# Altium PCB DM1097_R2M0E2.PcbDoc (part 3 of 7)
Units mm, origin at the board's own origin, x right, y up, seen from the top; angles counter-clockwise.
Board outline 110 x 60 mm, 6 copper layers (Top Copper, GND 1, PWR, Signal Layer 1, GND 2, Bottom Copper), stack 1.597 mm thick; 274 components, 266 nets, 1212 pads, 803 vias.
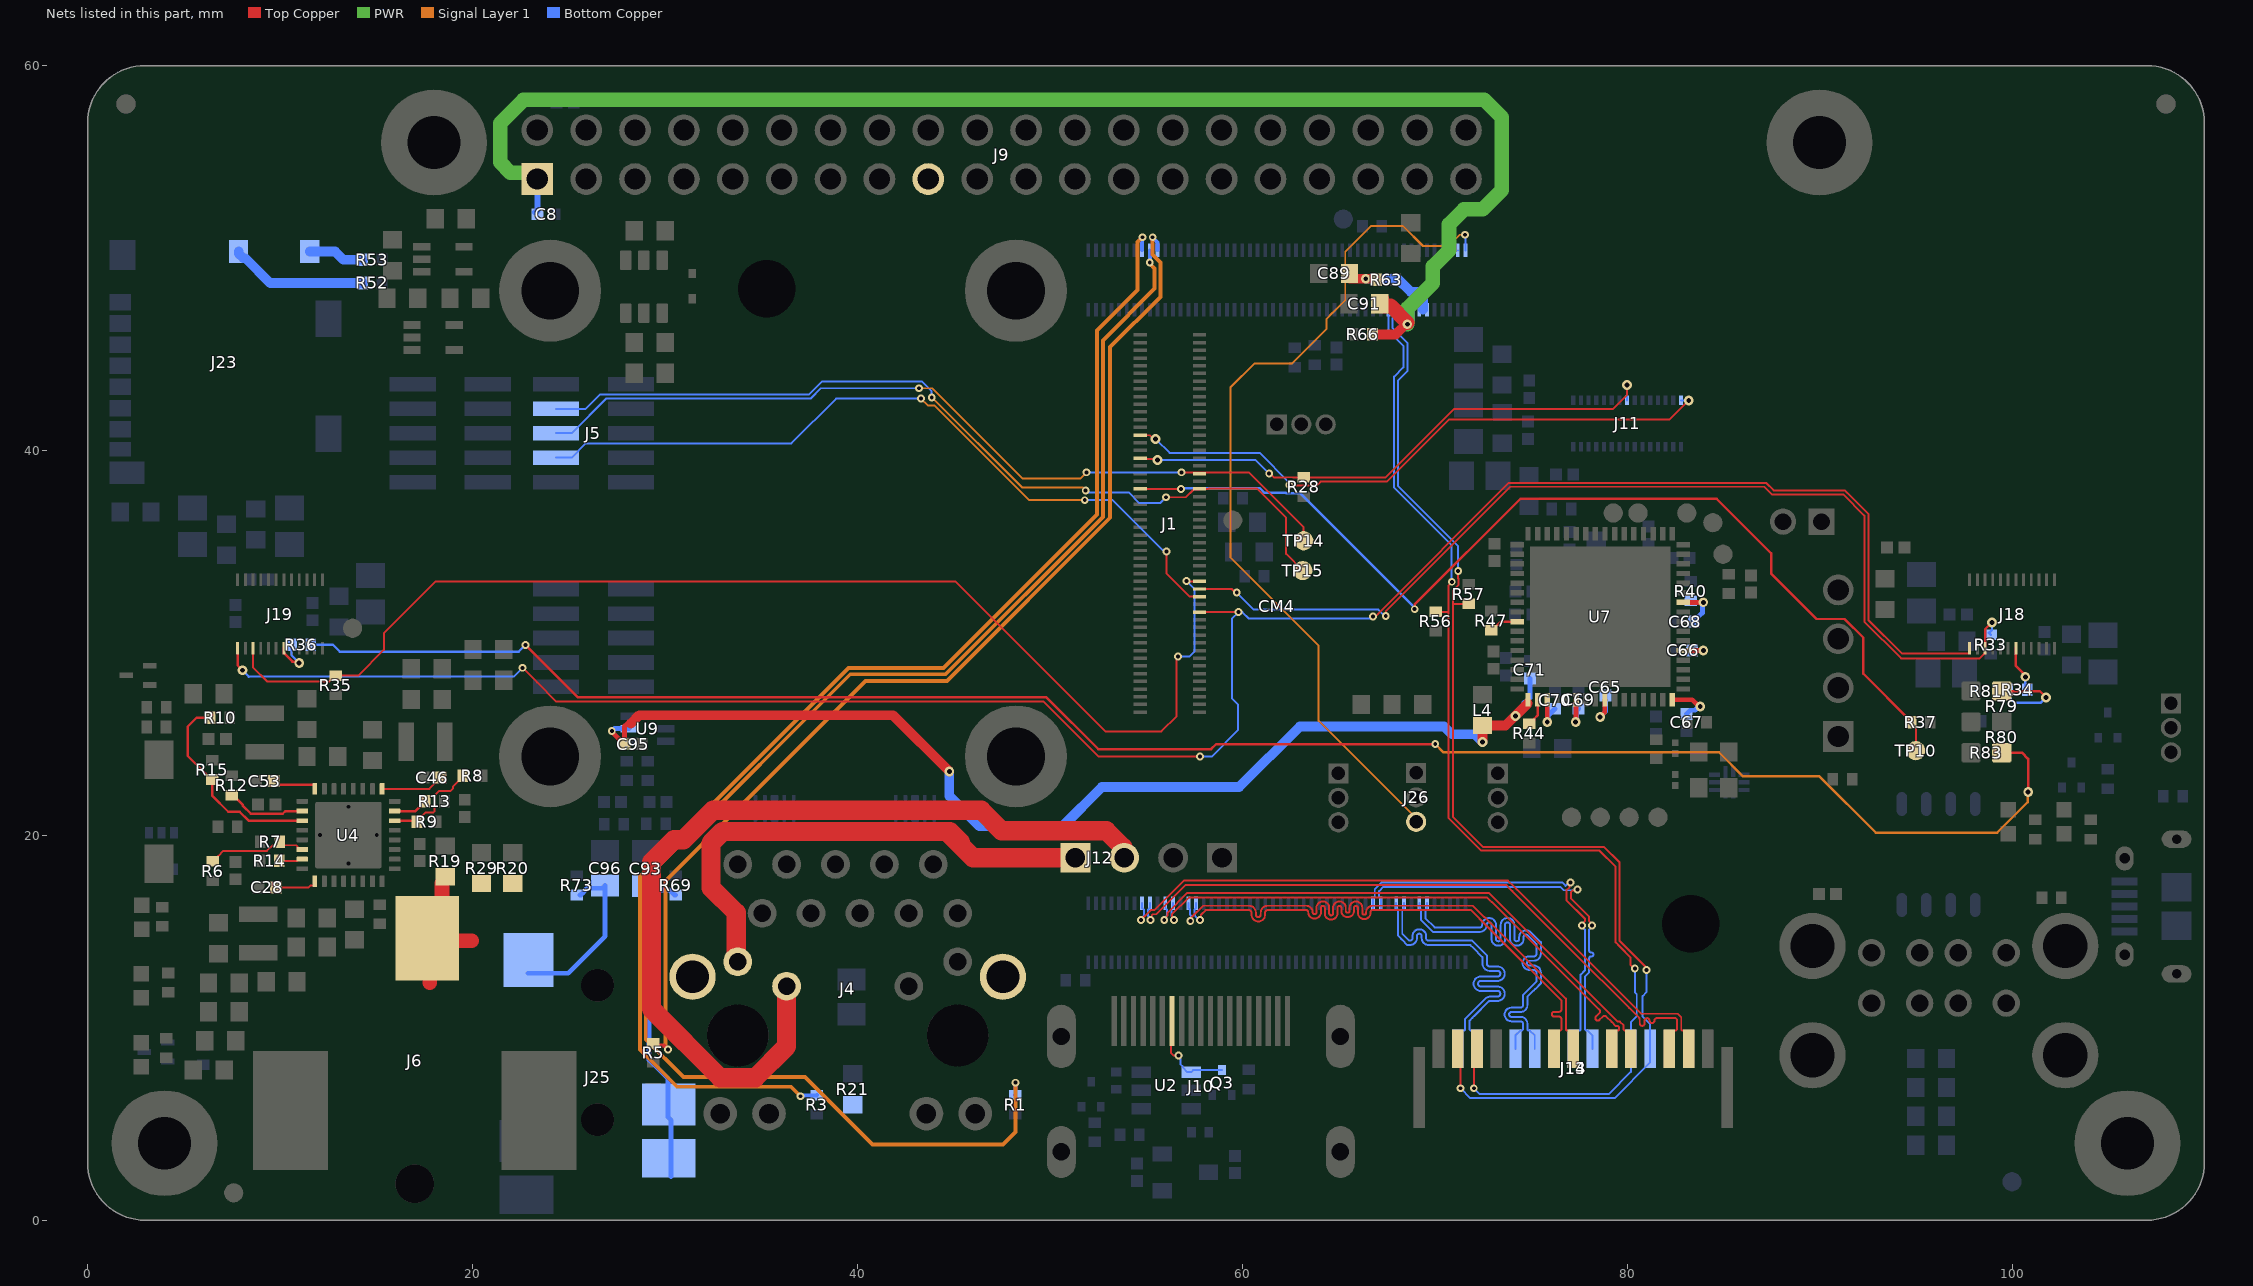
[diagram p7: the nets of this part, all layers, seen from the top]

## Via types
v1: diameter 0.406, hole 0.203, Top Copper to Bottom Copper, tented both sides, 442 vias
v2: diameter 0.508, hole 0.254, Top Copper to Bottom Copper, tented both sides, 361 vias

## Nets (pads, with @x,y where several pads share a name; then routed paths per layer and width w, separated by ;. In a path a pad name is that pad's centre, name@x,y a point inside that pad or via, vN(x,y) a via of type N, cw(c..) or ccw(c..) an arc to the next point about the centre after c; other vN are vias at no path point) (continued)
3V3_VDDA: C65.2 C66.2 C67.2 C68.2 C69.2 C70.2 C71.2 C95.2 L4.2 R40.1 U7.5 U7.10 U7.49 U7.51 U7.54 U7.57 U7.64 U9.5 | length 72.6
  Top Copper w0.152: v2(77.327,25.882) 77.327,25.902 v2@77.337,25.912 ; U7.54@77.337,27.033 U7.54@77.35,27.046
  Top Copper w0.254: v1(27.244,25.415) 27.244,25.392 C95.2@27.896,24.74 27.896,25.658 28.045,25.806 28.232,25.806 ; U7.49@74.837,26.86 74.85,26.873 U7.49@74.85,27.046 ; v2(75.85,25.882) U7.51@75.85,27.046 ; v2@77.337,25.912 U7.54@77.337,27.033 ; v2(78.6,26.141) 78.6,26.159 78.837,26.396 78.837,27.033 U7.57@78.85,27.046 ; U7.64@82.35,27.046 83.386,27.046 83.732,26.699 v2(83.797,26.699) ; U7.5@82.91,29.606 v2(83.961,29.606) ; U7.10@82.91,32.106 v2(83.961,32.106)
  Top Copper w0.508: 28.232,25.806 28.664,26.238 41.859,26.238 v2(44.78,23.317) ; v2(72.492,24.853) L4.2@72.492,25.705 73.682,25.705 U7.49@74.837,26.86
  Bottom Copper w0.254: v1(27.244,25.415) 27.371,25.542 U9.5@28.148,25.542 ; v2(74.2,26.2) 74.2,26.22 74.639,26.659 74.639,26.908 74.712,26.908 74.95,27.146 C71.2@74.95,28.15 ; v2(75.85,25.882) 75.899,25.931 75.899,26.222 C70.2@76.253,26.576 ; v2(77.327,25.882) 77.376,25.931 77.376,26.483 C69.2@77.483,26.59 ; v2(78.6,26.141) 78.6,26.159 78.869,26.428 C65.2@78.869,27.256 ; C67.2@83.089,26.315 83.272,26.498 83.528,26.498 83.729,26.699 v2(83.797,26.699) ; R40.1@83.323,32.106 v2(83.961,32.106) 83.912,32.057 83.912,31.555 C68.2@83.463,31.106 ; C66.2@83.36,29.606 v2(83.961,29.606)
  Bottom Copper w0.508: v2(44.78,23.317) 44.78,22.047 46.355,20.472 50.673,20.472 52.705,22.504 59.842,22.504 62.992,25.654 70.485,25.654 70.891,25.248 72.097,25.248 v2(72.492,24.853)
5V_IN: J6.1 R19.2 R20.2 R29.2 | length 7.7
  Top Copper w0.762: 17.777,12.345 J6.1@17.777,14.523 ; R19.2@18.418,17.511 18.418,15.418 J6.1@17.65,14.65 J6.1@17.777,14.523 ; 19.955,14.523 J6.1@17.777,14.523
2485_PGOOD: J1.37 J5.5 TP14.1 | length 43.8
  Top Copper w0.102: v1(56.845,38.862) 60.35,38.862 63.195,36.017 TP14.1@63.195,35.306
  Signal Layer 1 w0.102: v1(43.205,43.231) 43.886,43.231 48.585,38.532 51.583,38.532 v1(51.913,38.862)
  Bottom Copper w0.102: J5.5@24.339,40.894 25.159,40.894 26.963,42.698 37.568,42.698 38.1,43.231 v1(43.205,43.231) ; v1(51.913,38.862) v1(56.845,38.862)
2485_WAKEUP: J1.41 J5.7 TP15.1 | length 45.4
  Top Copper w0.102: v1(56.032,37.567) 57.074,37.567 57.468,37.961 57.741,37.961 J1.41@57.78,38 58.249,38 58.273,38.024 58.796,38.024 60.757,38.024 62.281,36.5 62.281,34.62 TP15.1@63.144,33.757
  Signal Layer 1 w0.102: v1(43.866,42.748) 43.883,42.748 48.557,38.075 51.714,38.075 v1(51.867,37.922)
  Bottom Copper w0.102: J5.7@24.339,42.164 25.883,42.164 26.62,42.902 37.483,42.902 38.168,43.586 43.353,43.586 43.866,43.073 v1(43.866,42.748) ; v1(51.867,37.922) 51.968,37.821 54.102,37.821 54.661,37.262 55.728,37.262 v1(56.032,37.567)
AudioL: C93.1 J25.3 J25.6 R69.2 | length 18.4
  Bottom Copper w0.254: C93.1@29.157,17.374 29.26,17.271 29.53,17.001 29.605,16.926 29.455,16.926 29.185,17.196 29.185,8.334 30.17,7.349 30.17,5.352 30.328,5.194 30.328,3.216 J25.6@30.328,2.261 ; R69.2@30.556,16.899 30.506,16.899 30.252,17.153 29.228,17.153 C93.1@29.082,17.299 ; C93.1@29.082,17.299 C93.1@29.007,17.374 C93.1@29.082,17.299
AudioR: C96.1 J25.2 R73.2 | length 9
  Bottom Copper w0.254: J25.2@22.889,12.833 24.974,12.833 26.899,14.757 C96.1@26.899,17.388 26.758,17.248 25.953,17.248 25.786,17.081 25.786,17.055 25.638,16.907 R73.2@25.588,16.907
AUTOMDIX_EN: R47.2 U7.41 | length 1.5
  Top Copper w0.127: R47.2@72.94,30.656 72.99,30.656 73.44,31.106 U7.41@74.29,31.106
AUX_IO_IRQ: J1.69 J5.3 | length 39.6
  Top Copper w0.102: v1(56.058,34.747) 56.058,33.61 57.268,32.4 J1.69@57.78,32.4
  Signal Layer 1 w0.102: v1(43.307,42.697) 43.663,42.342 44.002,42.342 48.93,37.414 v1(51.816,37.414)
  Bottom Copper w0.102: J5.3@24.339,39.624 25.159,39.624 25.897,40.362 26.975,40.362 ; 26.976,40.362 29.502,40.362 36.568,40.362 38.903,42.697 v1(43.307,42.697) ; v1(51.816,37.414) 53.269,37.414 55.847,34.836 55.886,34.836 55.925,34.798 v1@56.032,34.798
BST1: C28.1 U4.25 | length 2.2
  Top Copper w0.102: C28.1@9.786,17.297 11.49,17.297 11.596,17.403 11.731,17.403 11.805,17.477 U4.25@11.805,17.612
BST2: C46.1 U4.9 | length 3.2
  Top Copper w0.102: U4.9@15.305,22.412 17.762,22.412 18.25,22.9 C46.1@18.348,22.9
BST3: C53.1 U4.16 | length 2.4
  Top Copper w0.127: C53.1@9.653,22.815 9.85,22.617 11.744,22.617 11.805,22.556 U4.16@11.805,22.412
C_GPIO/MWAKE: CM4.97 | length 0
CAM1_CLK_N: CM4.127 J14.P8 | length 30.1
  Top Copper w0.101: v1(57.302,15.545) 57.361,15.603 57.361,15.73 57.972,16.342 58.386,16.342 59.381,16.342 59.845,16.342 60.354,16.342 cw(c60.354,15.988) 60.708,15.988 60.708,15.876 ccw(c60.835,15.876) 60.835,15.75 ccw(c60.835,15.876) 60.962,15.876 60.962,15.988 cw(c61.316,15.988) 61.316,16.342 61.48,16.342 61.965,16.342 62.83,16.342 63.33,16.342 cw(c63.33,16.013) 63.659,16.013 63.659,16 ccw(c63.76,16) 63.861,16 63.861,16.238 cw(c64.19,16.238) 64.519,16.238 64.519,15.943 ccw(c64.62,15.943) 64.721,15.943 64.721,16.238 cw(c65.05,16.238) 65.379,16.238 65.379,16.076 ccw(c65.48,16.076) 65.581,16.076 65.581,16.238 cw(c65.91,16.238) 66.239,16.238 66.239,15.977 ccw(c66.34,15.977) 66.441,15.977 66.441,16.013 cw(c66.77,16.013) 66.77,16.342 66.934,16.342 71.984,16.342 72.447,15.879 72.498,15.828 72.523,15.803 72.565,15.761 72.828,15.498 76.608,11.718 76.814,11.512 76.814,10.278 76.814,9.909 76.873,9.85 76.95,9.85 77.2,9.6 J14.P8@77.2,8.9
  Bottom Copper w0.101: CM4.127@57.2,16.48 57.2,16.23 57.286,16.144 57.286,15.885 57.331,15.84 57.331,15.574 v1(57.302,15.545) 57.302,15.491 v1@57.255,15.443
CAM1_CLK_P: CM4.129 J14.P7 | length 29.8
  Top Copper w0.101: v1(57.81,15.596) 57.846,15.631 57.846,15.86 58.1,16.114 58.386,16.114 59.381,16.114 59.845,16.114 60.354,16.114 cw(c60.354,15.988) 60.481,15.988 60.481,15.876 ccw(c60.835,15.876) 60.835,15.522 ccw(c60.835,15.876) 61.19,15.876 61.19,15.988 cw(c61.316,15.988) 61.316,16.114 61.48,16.114 61.965,16.114 62.83,16.114 63.33,16.114 cw(c63.33,16.013) 63.431,16.013 63.431,16 ccw(c63.76,16) 64.089,16 64.089,16.238 cw(c64.19,16.238) 64.291,16.238 64.291,15.943 ccw(c64.62,15.943) 64.949,15.943 64.949,16.238 cw(c65.05,16.238) 65.151,16.238 65.151,16.076 ccw(c65.48,16.076) 65.809,16.076 65.809,16.238 cw(c65.91,16.238) 66.011,16.238 66.011,15.977 ccw(c66.34,15.977) 66.669,15.977 66.669,16.013 cw(c66.77,16.013) 66.77,16.114 66.934,16.114 71.89,16.114 72.22,15.785 72.404,15.6 72.667,15.337 76.447,11.557 76.462,11.543 76.586,11.418 76.586,11.261 76.586,10.957 cw(c76.459,10.957) 76.459,10.831 76.213,10.831 ccw(c76.213,10.704) 76.086,10.704 ccw(c76.213,10.704) 76.213,10.577 76.459,10.577 cw(c76.459,10.45) 76.586,10.45 76.586,10.13 76.586,9.981 76.586,9.909 76.527,9.85 76.45,9.85 76.2,9.6 J14.P7@76.2,8.9
  Bottom Copper w0.101: CM4.129@57.6,16.48 57.6,16.23 57.514,16.144 57.514,15.979 57.559,15.934 57.559,15.79 57.754,15.596 v1(57.81,15.596)
CAM1_D0_N: CM4.115 J14.P14 | length 34.7
  Top Copper w0.101: v1(54.732,15.6) 54.738,15.6 55.264,16.126 55.445,16.126 56.968,17.65 73.805,17.65 74.126,17.329 ; 74.127,17.328 74.261,17.194 ; 74.261,17.194 77.374,14.081 80.491,10.964 80.727,10.728 82.622,10.728 82.814,10.535 82.814,10.027 82.814,9.909 82.873,9.85 82.95,9.85 83.2,9.6 J14.P14@83.2,8.9
  Top Copper w0.102: 74.126,17.329 74.127,17.328
  Bottom Copper w0.101: v1(54.732,15.6) 54.732,15.672 54.886,15.826 54.886,16.144 54.8,16.23 CM4.115@54.8,16.48
CAM1_D0_P: CM4.117 J14.P13 | length 34.7
  Top Copper w0.101: v1(55.24,15.6) 55.299,15.659 55.299,15.839 55.359,15.899 55.539,15.899 57.062,17.422 73.711,17.422 73.898,17.235 ; 73.898,17.234 74.032,17.099 ; 74.033,17.099 77.213,13.92 80.101,11.032 80.621,10.512 cw(c80.531,10.422) 80.658,10.422 80.658,10.226 ccw(c80.785,10.226) 80.785,10.1 ccw(c80.785,10.226) 80.911,10.226 80.911,10.373 cw(c81.038,10.373) 81.038,10.5 cw(c81.038,10.373) 81.165,10.373 ccw(c81.292,10.373) 81.292,10.246 ccw(c81.292,10.373) 81.418,10.373 cw(c81.545,10.373) 81.545,10.5 82.351,10.5 82.478,10.5 82.527,10.5 82.586,10.441 82.586,10.121 82.586,9.909 82.527,9.85 82.45,9.85 82.2,9.6 J14.P13@82.2,8.9
  Bottom Copper w0.101: CM4.117@55.2,16.48 55.2,16.23 55.114,16.144 55.114,15.809 55.24,15.683 v1(55.24,15.6)
CAM1_D1_N: CM4.121 J14.P11 | length 29.8
  Top Copper w0.101: v1(55.946,15.6) 55.946,15.671 56.119,15.844 56.119,15.989 57.126,16.996 72.826,16.996 73.124,16.698 78.203,11.619 79.14,10.681 79.507,10.315 79.564,10.315 79.622,10.315 79.814,10.123 79.814,9.909 79.873,9.85 79.95,9.85 80.2,9.6 J14.P11@80.2,8.9
  Bottom Copper w0.101: v1(55.946,15.6) 55.946,15.683 56.086,15.823 56.086,16.144 56,16.23 CM4.121@56,16.48
CAM1_D1_P: CM4.123 J14.P10 | length 29.8
  Top Copper w0.101: v1(56.454,15.6) 56.454,15.683 56.347,15.79 56.347,15.895 57.22,16.769 72.731,16.769 72.9,16.6 72.963,16.537 78.042,11.458 78.343,11.157 78.558,10.942 cw(c78.469,10.852) 78.558,10.762 78.384,10.588 ccw(c78.474,10.499) 78.384,10.409 ccw(c78.474,10.499) 78.563,10.409 78.738,10.583 cw(c78.827,10.494) 78.917,10.583 79.196,10.304 79.413,10.087 79.527,10.087 79.586,10.029 79.586,9.909 79.527,9.85 79.45,9.85 79.2,9.6 J14.P10@79.2,8.9
  Bottom Copper w0.101: CM4.123@56.4,16.48 56.4,16.23 56.314,16.144 56.314,15.823 56.454,15.683 v1(56.454,15.6)
CAM_A_CLK_OUT: J1.28 J11.30 | length 31.9
  Top Copper w0.102: J1.28@54.7,40.8 54.712,40.788 55.202,40.788 55.39,40.6 v2(55.5,40.6) ; v1(62.45,38.2) 62.477,38.173 63.862,38.173 64.069,38.379 66.819,38.379 66.837,38.397 67.531,38.397 70.734,41.6 82.2,41.6 v2(83.2,42.6)
  Bottom Copper w0.102: v2(55.5,40.6) 55.539,40.561 56.231,39.869 60.906,39.869 62.45,38.325 v1(62.45,38.2) ; J11.30@82.8,42.6 v2(83.2,42.6)
CAM_A_PWDN_N: J1.34 J11.23 R28.1 | length 28.8
  Top Copper w0.102: J1.34@54.7,39.6 54.739,39.561 55.539,39.561 v2(55.6,39.5) ; v1(61.4,38.8) 61.445,38.8 61.663,38.583 62.258,38.583 62.282,38.606 62.618,38.606 62.625,38.6 R28.1@63.195,38.6 67.446,38.6 70.993,42.147 79.247,42.147 80,42.9 v2(80,43.4)
  Bottom Copper w0.102: v2(55.6,39.5) 60.7,39.5 v1(61.4,38.8) ; J11.23@80,42.6 v2(80,43.4)
CAM_B_CLK_OUT: J1.73 J18.24 J19.24 | length 112.5
  Top Copper w0.102: v1(22.606,28.705) 23.363,27.948 24.361,26.949 49.682,26.949 52.54,24.092 v1(57.81,24.092) ; J1.73@57.78,31.6 v1(59.815,31.6) ; v1(66.794,31.369) 66.905,31.369 73.852,38.316 87.217,38.316 87.61,37.922 91.312,37.922 91.408,37.826 92.533,36.701 92.533,31.189 94.271,29.451 97.776,29.451 97.776,29.464 97.8,29.488 J18.24@97.8,29.725
  Top Copper w0.127: J19.24@7.8,29.86 7.8,28.84 8.052,28.588 v2(8.052,28.575)
  Bottom Copper w0.102: 8.379,28.248 22.149,28.248 v1(22.606,28.705) ; v1(57.81,24.092) 58.407,24.092 59.792,25.476 59.792,26.797 59.461,27.127 59.461,31.247 v1(59.815,31.6) 60.013,31.6 60.345,31.267 66.678,31.267 v1@66.764,31.354
  Bottom Copper w0.127: v2(8.052,28.575) 8.379,28.248
CAM_B_D_PWM: J1.65 J19.22 R35.1 | length 64.4
  Top Copper w0.102: J19.22@8.6,29.86 8.594,29.854 8.594,28.732 9.325,28 12.566,28 12.626,28.06 12.626,28.076 12.85,28.3 R35.1@12.9,28.3 14.056,28.3 15.394,29.638 15.394,30.5 18.094,33.2 45.1,33.2 52.894,25.406 55.804,25.406 56.594,26.196 56.594,29.365 v1(56.659,29.3) ; v1(57.099,33.223) 57.122,33.2 J1.65@57.78,33.2
  Bottom Copper w0.102: v1(56.659,29.3) 57.265,29.3 57.531,29.566 57.531,32.791 v1@57.125,33.198
CAM_B_PWDN_N: J1.67 J18.22 R33.1 | length 53.5
  Top Copper w0.102: J1.67@57.988,32.817 58.005,32.8 59.447,32.8 59.633,32.614 v1(59.715,32.614) ; v1(67.458,31.394) 67.458,31.635 73.936,38.113 87.133,38.113 87.526,37.719 91.227,37.719 92.33,36.617 92.33,31.105 94.237,29.197 98.322,29.197 98.6,29.475 J18.22@98.6,29.725
  Top Copper w0.127: J18.22@98.6,29.86 98.6,30.706 v2(98.958,31.064)
  Bottom Copper w0.102: v1(59.715,32.614) 60.604,31.725 67.08,31.725 67.41,31.394 v1(67.458,31.394)
  Bottom Copper w0.127: R33.1@98.9,30.416 98.8,30.516 98.958,30.674 v2(98.958,31.064)
CD1_SCL: CM4.80 J13.P5 J14.P3 R56.1 | length 60.8
  Top Copper w0.102: R56.1@70.053,31.615 70.704,31.615 70.714,31.606 ; v1(70.891,33.172) 70.891,33.138 70.714,32.96 70.714,31.606 ; v1(72.034,6.858) 72.034,8.734 J14.P3@72.2,8.9 ; v1(80.4,13.074) 80.366,13.074 80.188,13.252 80.186,13.252 80.186,13.65 79.604,14.233 79.604,14.234 79.4,14.438 79.4,18.364 78.564,19.2 72.419,19.2 70.714,20.906 70.714,31.606
  Bottom Copper w0.102: CM4.80@67.6,47.32 67.612,47.308 67.612,46.474 ; 67.612,46.473 67.612,46.2 67.805,46.007 68.374,45.438 68.374,44.313 67.894,43.833 67.894,38.067 70.866,35.095 70.866,33.198 v1(70.891,33.172) ; v1(72.034,6.858) 72.339,6.553 79.045,6.553 80.2,7.708 J13.P5@80.2,8.9 80.2,10.29 80.5,10.59 80.5,11.741 80.403,11.838 80.403,13.071 v1(80.4,13.074)
CD1_SDA: CM4.82 J13.P4 J14.P2 R57.1 | length 62.9
  Top Copper w0.102: J14.P2@71.2,8.9 71.349,8.751 v1(71.349,6.858) ; v1(71.222,33.731) 71.222,33.345 71.247,33.32 71.247,33.025 70.942,32.72 70.942,32.015 ; R57.1@71.78,32.037 71.758,32.015 70.942,32.015 ; v1@80.98,13.145 79.604,14.522 79.604,18.593 78.793,19.404 72.503,19.404 70.942,20.964 70.942,32.015
  Bottom Copper w0.102: CM4.82@68,47.32 68,47.07 67.852,46.922 67.852,46.907 67.816,46.87 67.816,46.352 68.577,45.59 68.577,44.122 68.097,43.642 68.097,38.151 71.222,35.027 v1(71.222,33.731) ; v1(71.349,6.858) 71.857,6.35 79.35,6.35 81.2,8.2 J13.P4@81.2,8.9 81.2,10.179 80.8,10.579 80.8,11.648 80.997,11.845 80.997,12.997 v1(81,13)
CD_SW1: J23.9 R52.1 | length 7.2
  Bottom Copper w0.5: J23.9@7.85,50.335 7.85,50.235 8.1,49.985 8.2,49.985 9.485,48.7 R52.1@14.3,48.7
CD_SW2: J23.10 R53.2 | length 2.9
  Bottom Copper w0.5: J23.10@11.55,50.335 12.865,50.335 13.3,49.9 R53.2@14.3,49.9
CEC: J10.13 Q3.3 U2.1@57.35,7.7 | length 5.2
  Top Copper w0.102: J10.13@56.35,10.35 56.298,10.298 56.298,8.702 56.444,8.556 v1(56.694,8.556)
  Bottom Copper w0.102: v1@56.856,8.556 v1(56.694,8.556) 56.694,8.474 56.787,8.381 56.787,8.112 56.901,7.998 56.901,7.949 57.15,7.7 U2.1@57.35,7.7 57.45,7.8 Q3.3@58.95,7.8
CM_1V8: C89.1 CM4.88 CM4.90 R63.2 | length 5.6
  Top Copper w0.508: C89.1@65.583,48.92 v2(66.421,48.92) 66.967,48.92 66.988,48.899 R63.2@66.988,48.87 66.988,48.82 R63.2@66.967,48.799
  Bottom Copper w0.508: v2(66.421,48.92) 68.073,48.92 68.759,48.235 69.201,48.235 69.39,48.046 69.39,47.32
CM_3V3: C8.2 C91.1 CM4.84 CM4.86 J9.1 J9.17 R66.2 | length 78.6
  Top Copper w0.3: C91.1@67.315,47.757 C91.1@67.488,47.93
  Top Copper w0.5: R66.2@66.769,46.025 66.794,46.05 66.794,46.025 67.97,46.025 v2@68.58,46.634
  Top Copper w0.762: C91.1@67.145,47.625 67.145,47.575 67.214,47.506 67.708,47.506 v2@68.58,46.634
  PWR w0.762: J9.1@23.317,54.102 23.317,54.153 23.043,54.427 21.976,54.427 21.438,54.966 21.438,56.998 22.657,58.217 72.566,58.217 73.482,57.301 73.482,53.518 72.492,52.527 71.526,52.527 70.747,51.748 70.747,50.402 69.901,49.555 69.901,48.691 68.58,47.371 v2(68.58,46.558)
  Bottom Copper w0.3: C8.2@23.241,52.375 23.317,52.375 23.375,52.433 23.375,54.095 J9.1@23.368,54.102 ; J9.1@23.927,53.67 23.927,53.543 J9.1@24.043,53.427 ; CM4.84@68.4,47.32 68.4,46.738 v2(68.58,46.558) 68.8,46.778 CM4.86@68.8,47.32
COM_AUX_IO2: J1.42 R37.1 TP10.1 | length 53.4
  Top Copper w0.102: J1.42@54.7,38 54.702,37.998 v1(56.82,37.998) ; R37.1@94.758,25.865 94.758,25.815 95,25.573 TP10.1@95,24.4
  Top Copper w0.127: v1(68.961,31.75) 68.961,31.991 74.46,37.49 84.647,37.49 87.478,34.66 87.478,33.604 89.84,31.242 91.305,31.242 92.278,30.269 92.278,28.395 94.725,25.948 94.758,25.915 R37.1@94.758,25.865
  Bottom Copper w0.127: v1(56.82,37.998) 56.858,38.036 60.922,38.036 61.163,37.795 62.262,37.795 62.276,37.781 63.006,37.781 68.848,31.939 68.961,31.826 v1(68.961,31.75)
COMP1: R14.2 U4.23 | length 1.2
  Top Copper w0.102: R14.2@9.969,18.668 10.887,18.668 10.98,18.762 U4.23@11.155,18.762
COMP2: R13.2 U4.7 | length 1.8
  Top Copper w0.127: U4.7@15.955,21.262 17.038,21.262 17.277,21.501 17.327,21.501 17.538,21.712 R13.2@17.538,21.762
COMP3: R12.2 U4.18 | length 4.1
  Top Copper w0.127: R12.2@7.505,22.09 7.555,22.09 8.076,21.569 8.076,21.531 8.486,21.122 10.144,21.122 10.284,21.262 U4.18@11.155,21.262
CT1: J4.11 J12.1 | length 27.4
  Top Copper w1: J4.11@33.785,13.43 33.703,13.512 33.703,15.972 32.4,17.275 32.4,19.6 33,20.2 44.8,20.2 45.366,19.634 ; 44.704,20.142 46.013,18.833 J12.1@51.33,18.833
CT2: J4.12 J12.2 | length 46.4
  Top Copper w1: J4.12@36.325,12.16 36.325,9.026 34.697,7.398 32.873,7.398 29.3,10.971 29.3,18.602 30.467,19.769 30.966,19.769 32.498,21.302 46.44,21.302 47.498,20.244 52.934,20.244 J12.2@53.797,19.38
DSI1_CLK_N: CM4.187 J13.P11 | length 19.5
  Bottom Copper w0.102: CM4.187@69.2,16.48 69.2,16.23 69.286,16.144 69.286,15.608 69.79,15.104 69.908,14.986 71.792,14.986 72.345,14.986 ccw(c72.345,15.34) 72.7,15.34 72.7,15.352 cw(c72.825,15.352) 72.825,15.477 cw(c72.825,15.352) 72.951,15.352 72.951,14.62 ccw(c73.306,14.62) 73.306,14.266 ccw(c73.306,14.62) 73.66,14.62 73.66,15.352 cw(c73.786,15.352) 73.786,15.477 cw(c73.786,15.352) 73.912,15.352 73.912,14.62 ccw(c74.266,14.62) 74.266,14.266 ccw(c74.266,14.62) 74.62,14.62 74.62,14.713 cw(c74.746,14.713) 74.836,14.801 ; J13.P11@74.2,8.9 74.2,9.6 74.449,9.849 74.526,9.849 74.586,9.909 74.586,10.046 74.586,10.211 ccw(c74.46,10.211) 74.46,10.337 73.99,10.337 cw(c73.99,10.692) 73.636,10.692 cw(c73.99,10.692) 73.99,11.046 74.46,11.046 ccw(c74.46,11.172) 74.586,11.172 74.586,11.695 74.836,11.946 74.894,12.003 75.286,12.395 75.286,12.464 75.286,12.712 75.286,12.877 ccw(c75.16,12.877) 75.16,13.003 74.92,13.003 cw(c74.92,13.357) 74.566,13.357 cw(c74.92,13.357) 74.92,13.711 75.16,13.711 ccw(c75.16,13.837) 75.286,13.837 75.286,14.351 75.193,14.443 75.151,14.485 74.906,14.731 ; 74.836,14.801 74.905,14.732
DSI1_CLK_P: CM4.189 J13.P10 | length 19.5
  Bottom Copper w0.102: CM4.189@69.6,16.48 69.6,16.23 69.514,16.144 69.514,15.703 70.002,15.215 71.792,15.215 72.345,15.215 ccw(c72.345,15.34) 72.471,15.34 72.471,15.352 cw(c72.825,15.352) 72.825,15.706 cw(c72.825,15.352) 73.18,15.352 73.18,14.62 ccw(c73.306,14.62) 73.306,14.495 ccw(c73.306,14.62) 73.431,14.62 73.431,15.352 cw(c73.786,15.352) 73.786,15.706 cw(c73.786,15.352) 74.14,15.352 74.14,14.62 ccw(c74.266,14.62) 74.266,14.495 ccw(c74.266,14.62) 74.392,14.62 74.392,14.713 cw(c74.746,14.713) 74.997,14.963 ; 74.997,14.963 75.067,14.893 ; 75.067,14.892 75.151,14.809 75.349,14.611 75.514,14.446 75.514,14.443 75.514,13.837 cw(c75.16,13.837) 75.16,13.483 74.92,13.483 ccw(c74.92,13.357) 74.794,13.357 ccw(c74.92,13.357) 74.92,13.231 75.16,13.231 cw(c75.16,12.877) 75.514,12.877 75.514,12.712 75.514,12.464 75.514,12.301 75.217,12.003 75.159,11.946 74.814,11.601 74.814,11.172 cw(c74.46,11.172) 74.46,10.817 73.99,10.817 ccw(c73.99,10.692) 73.864,10.692 ccw(c73.99,10.692) 73.99,10.566 74.46,10.566 cw(c74.46,10.211) 74.814,10.211 74.814,10.046 74.814,9.909 74.874,9.849 74.951,9.849 75.2,9.6 J13.P10@75.2,8.9
DSI1_D0_N: CM4.175 J13.P8 | length 21
  Top Copper w0.102: v1(77.064,17.551) 77.013,17.5 77.013,17.303 76.844,17.134 76.844,16.635 77.8,15.679 77.8,15.538 77.661,15.399 v1(77.661,15.316)
  Bottom Copper w0.102: CM4.175@66.8,16.23 CM4.175@66.8,16.48 66.8,16.73 66.886,16.816 66.886,17.196 67.241,17.551 76.625,17.551 76.802,17.374 76.804,17.374 76.981,17.551 v1(77.064,17.551) ; J13.P8@77.2,8.9 77.2,9.6 77.449,9.849 77.526,9.849 77.586,9.909 77.586,12.761 77.8,12.976 77.8,15.104 77.661,15.244 v1(77.661,15.316)
DSI1_D0_P: CM4.177 J13.P7 | length 21
  Top Copper w0.102: v1(77.423,17.192) 77.372,17.141 77.174,17.141 77.073,17.04 77.073,16.73 77.622,16.18 77.703,16.099 78.029,15.773 78.029,15.538 78.169,15.399 v1(78.169,15.316)
  Bottom Copper w0.102: CM4.177@67.2,16.23 CM4.177@67.2,16.48 67.2,16.73 67.114,16.816 67.114,17.102 67.335,17.323 76.53,17.323 76.641,17.212 76.707,17.146 77.376,17.146 v1(77.423,17.192) ; v1(78.169,15.316) 78.169,15.244 78.029,15.104 78.029,14.923 78.029,14.012 ccw(c78.131,14.012) 78.131,13.91 78.146,13.91 cw(c78.146,13.809) 78.146,13.707 78.131,13.707 ccw(c78.131,13.605) 78.029,13.605 78.029,13.351 78.029,12.881 77.814,12.667 77.814,9.909 77.874,9.849 77.951,9.849 78.2,9.6 J13.P7@78.2,8.9
DSI1_D1_N: CM4.181 J13.P14 | length 16.5
  Bottom Copper w0.102: CM4.181@68,16.48 68,16.23 68.086,16.144 68.086,14.801 68.164,14.723 68.301,14.587 68.315,14.572 68.587,14.3 68.721,14.3 ccw(c68.721,14.655) 69.075,14.655 69.075,14.764 cw(c69.201,14.764) 69.201,14.889 cw(c69.201,14.764) 69.327,14.764 69.327,14.655 ccw(c69.681,14.655) 69.681,14.3 71.762,14.3 71.857,14.3 72.009,14.148 72.482,13.674 72.482,13.497 72.482,13.332 ccw(c72.857,13.332) 72.857,12.957 73.267,12.957 cw(c73.267,12.812) 73.412,12.812 cw(c73.267,12.812) 73.267,12.666 72.394,12.666 ccw(c72.394,12.291) 72.019,12.291 ccw(c72.394,12.291) 72.394,11.917 73.267,11.917 cw(c73.267,11.771) 73.412,11.771 cw(c73.267,11.771) 73.267,11.625 72.9,11.625 ccw(c72.9,11.251) 72.635,11.515 71.881,10.762 ; J13.P14@71.171,8.929 J13.P14@71.2,8.9 71.2,9.6 71.449,9.849 71.526,9.849 71.586,9.909 71.586,10.466 71.73,10.611 71.88,10.761
DSI1_D1_P: CM4.183 J13.P13 | length 16.8
  Bottom Copper w0.102: CM4.183@68.4,16.48 68.4,16.23 68.314,16.144 68.314,14.896 68.315,14.895 68.682,14.529 68.721,14.529 ccw(c68.721,14.655) 68.846,14.655 68.846,14.764 cw(c69.201,14.764) 69.201,15.118 cw(c69.201,14.764) 69.555,14.764 69.555,14.655 ccw(c69.681,14.655) 69.681,14.529 71.762,14.529 71.951,14.529 72.711,13.769 72.711,13.497 72.711,13.332 ccw(c72.857,13.332) 72.857,13.186 73.267,13.186 cw(c73.267,12.812) 73.641,12.812 cw(c73.267,12.812) 73.267,12.437 72.394,12.437 ccw(c72.394,12.291) 72.248,12.291 ccw(c72.394,12.291) 72.394,12.146 73.267,12.146 cw(c73.267,11.771) 73.641,11.771 cw(c73.267,11.771) 73.267,11.397 72.9,11.397 ccw(c72.9,11.251) 72.796,11.354 72.043,10.6 ; J13.P13@71.951,9.149 J13.P13@72.2,8.9 72.2,9.6 71.951,9.849 71.874,9.849 71.814,9.909 71.814,10.372 71.958,10.516 72.042,10.6
ETH_GND: J4.19 J4.20 R21.2
ETH_LEDG: CM4.15 R3.1 | length 66.8
  Signal Layer 1 w0.203: v1(37.054,6.442) 36.562,6.934 30.632,6.934 28.7,8.867 28.7,17.869 39.531,28.7 44.475,28.7 52.451,36.676 52.451,46.228 54.559,48.336 54.559,50.825 v1(54.813,51.079)
  Bottom Copper w0.203: v1(37.054,6.442) 37.083,6.471 37.871,6.471 R3.1@37.9,6.5 ; CM4.15@54.8,50.4 54.802,50.402 54.802,50.992 v1@54.864,51.054
ETH_LEDY: CM4.17 R1.1 | length 79.9
  Signal Layer 1 w0.203: v1(48.217,7.148) 48.217,4.58 47.574,3.937 40.792,3.937 37.287,7.442 30.96,7.442 29.005,9.398 29.005,17.743 30.312,19.05 39.632,28.37 44.576,28.37 52.756,36.55 52.756,45.72 55.448,48.412 55.448,49.45 55.194,49.704 v1(55.194,49.759)
  Bottom Copper w0.203: R1.1@48.2,6.5 48.217,6.517 v1(48.217,7.148) ; v1@55.194,49.784 55.199,49.788 55.199,50.399 CM4.17@55.2,50.4
ETH_LEDY2: CM4.19 R5.1 | length 57.3
  Top Copper w0.203: R5.1@29.35,9.2 R5.1@29.4,9.2 29.514,9.086 29.946,9.086 v1(30.163,8.87)
  Signal Layer 1 w0.203: v1(30.163,8.87) 30.032,9 30.032,17.621 40.425,28.014 44.651,28.014 53.137,36.5 53.137,45.364 55.753,47.981 55.753,49.774 55.347,50.181 v1(55.347,51.079)
  Bottom Copper w0.203: v1@55.321,51.079 55.6,50.801 CM4.19@55.6,50.4
EXRES: R44.2 U7.50 | length 1.5
  Top Copper w0.127: R44.2@74.913,25.799 74.963,25.799 75.175,26.01 75.175,26.06 75.35,26.235 U7.50@75.35,27.046
FB1: R6.1 R7.2 U4.22 | length 5.3
  Top Copper w0.102: R6.1@6.512,18.646 6.562,18.646 6.786,18.87 6.786,18.92 7.057,19.191 9.323,19.191 9.617,19.485 9.802,19.485 R7.2@9.985,19.668 10.169,19.485 10.847,19.485 10.906,19.425 10.906,19.336 10.98,19.262 U4.22@11.155,19.262
FB2: R8.1 R9.2 U4.6 | length 5.2
  Top Copper w0.102: R9.2@17.122,20.697 17.122,20.747 17.572,21.197 17.973,21.197 18.038,21.262 18.038,22.078 18.261,22.3 18.851,22.3 19,22.449 19,22.55 19.5,23.05 R8.1@19.5,23.1
  Top Copper w0.127: U4.6@15.955,20.762 17.056,20.762 R9.2@17.122,20.697
FB3: R10.1 R15.2 U4.19 | length 10.7
  Top Copper w0.127: R10.1@6.385,26.113 5.668,26.113 5.21,25.655 5.21,24.127 6.487,22.85 6.487,22.051 7.314,21.224 7.903,21.224 8.364,20.762 U4.19@11.155,20.762
FSIN1: R34.2 R79.1 R81.2 | length 5
  Top Copper w0.127: R81.2@99.472,27.495 101.442,27.495 v2(101.772,27.165)
  Bottom Copper w0.127: R34.2@99.786,27.565 99.786,27.231 100.117,26.9 101.507,26.9 v2(101.772,27.165)
FSIN1_IN: J18.18 R34.1 | length 2.4
  Top Copper w0.127: J18.18@100.2,29.725 100.2,28.807 100.693,28.314 v2(100.693,28.237)
  Bottom Copper w0.127: v2(100.693,28.237) 100.693,27.658 R34.1@100.786,27.565
FSIN2: R36.2 R80.2 R83.2 | length 98
  Top Copper w0.127: v1(22.758,29.896) 25.489,27.165 49.829,27.165 52.517,24.478 58.386,24.478 58.648,24.74 v1(70.028,24.74) ; R83.2@99.472,24.295 100.511,24.295 100.838,23.968 v2(100.838,22.25)
  Signal Layer 1 w0.127: v1(70.028,24.74) 70.46,24.308 84.785,24.308 86.03,23.063 89.992,23.063 92.924,20.131 99.224,20.131 100.813,21.72 v2@100.813,22.113
  Bottom Copper w0.127: R36.2@11.6,29.9 12.751,29.9 13.111,29.54 22.403,29.54 v1(22.758,29.896)
FSIN2_IN: J19.18 R36.1 | length 2.4
  Top Copper w0.127: J19.18@10.2,29.725 10.2,29.475 10.646,29.029 10.875,29.029 v2@10.973,28.931
  Bottom Copper w0.127: R36.1@10.6,29.9 10.6,29.354 10.947,29.007 v2@10.973,29.007 ; v2(10.998,28.956) v2@10.998,29.007
GLOBAL_EN: CM4.99 J26.3 | length 45.8
  Signal Layer 1 w0.102: J26.3@69.24,20.679 63.974,25.945 63.974,29.846 59.393,34.428 59.393,39.249 59.389,39.253 59.389,43.27 60.648,44.529 62.599,44.529 64.389,46.319 64.389,46.84 64.716,47.168 64.719,47.168 65.354,47.803 65.354,50.326 66.682,51.654 68.361,51.654 69.393,50.622 70.714,50.622 71.298,51.206 v1(71.577,51.206)
  Bottom Copper w0.102: v1(71.577,51.206) 71.422,51.206 71.6,51.029 CM4.99@71.6,50.4